# Altium PCB relay_matrix.PcbDoc (part 3 of 9)
Units mm, origin at the board's own origin, x right, y up, seen from the top; angles counter-clockwise.
Board outline 330 x 220 mm, 2 copper layers (Top Layer, Bottom Layer); 498 components, 345 nets, 2134 pads, 717 vias.
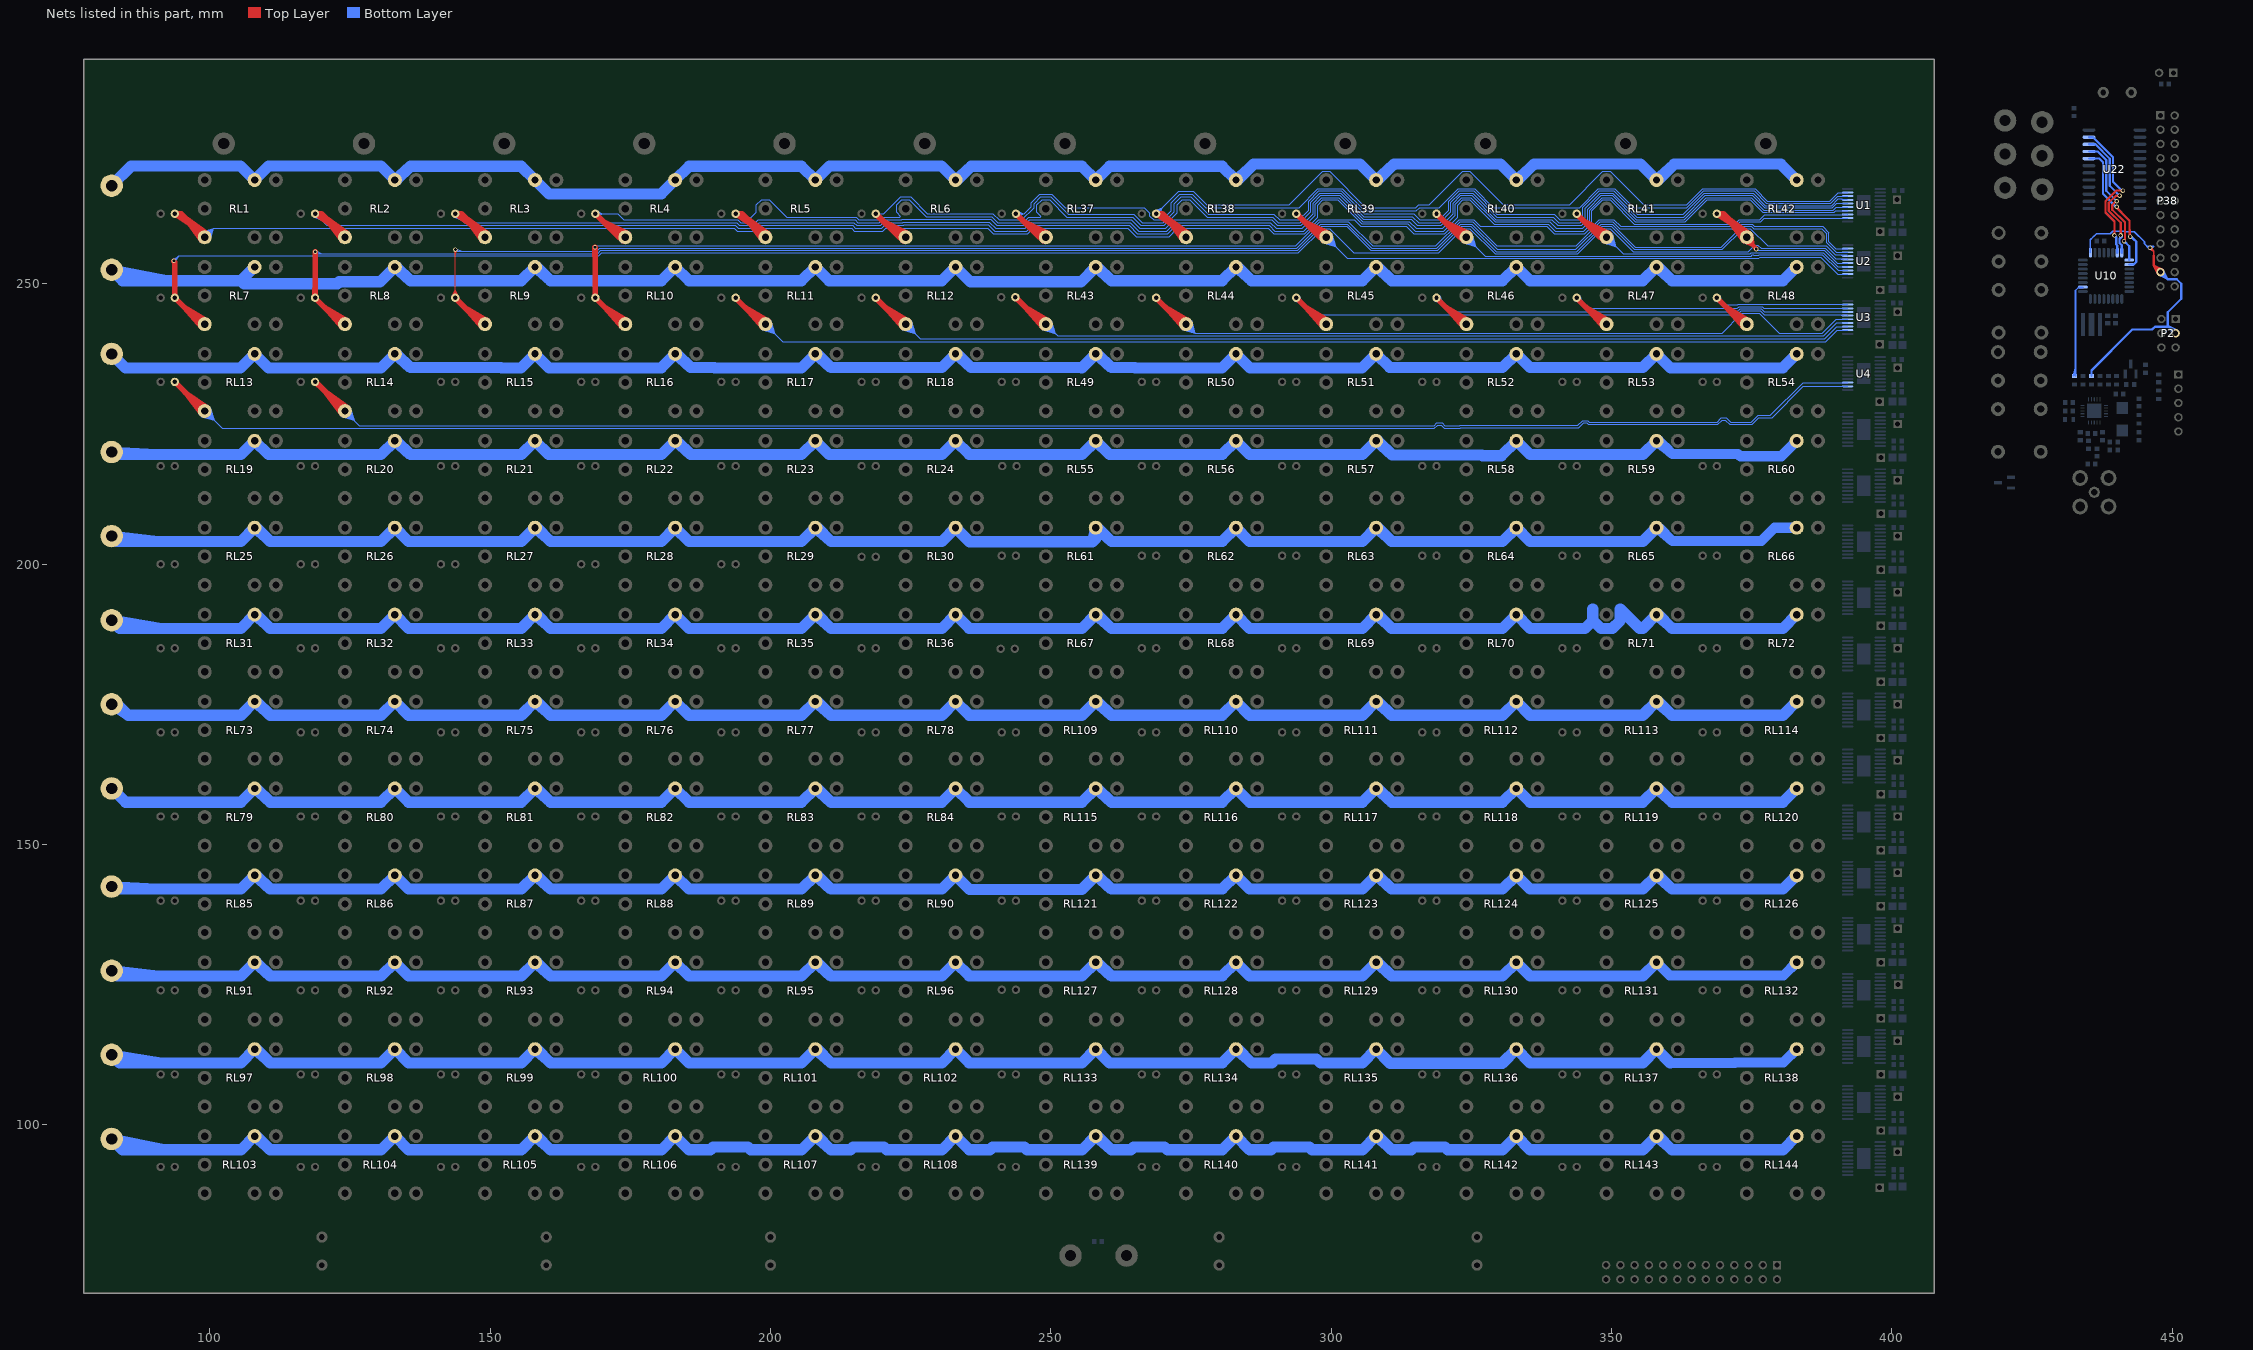
[diagram p3: the nets of this part, all layers, seen from the top]

## Via types
v1: diameter 0.8, hole 0.5, Top Layer to Bottom Layer, 477 vias
v2: diameter 0.8, hole 0.5, Top Layer to Bottom Layer, tented both sides, 122 vias
v3: diameter 0.6, hole 0.3, Top Layer to Bottom Layer, 112 vias
v4: diameter 7, hole 5, Top Layer to Bottom Layer, 6 vias

## Nets (pads, with @x,y where several pads share a name; then routed paths per layer and width w, separated by ;. In a path a pad name is that pad's centre, name@x,y a point inside that pad or via, vN(x,y) a via of type N, cw(c..) or ccw(c..) an arc to the next point about the centre after c; other vN are vias at no path point) (continued)
A0: U10.23 U22.23 | length 28.2
  Top Layer w0.4: v1(439.675,258.624) 439.675,261.127 438.075,262.727 438.075,264.024 438.075,264.704 439.996,266.624 v1(441.175,266.624)
  Bottom Layer w0.4: U22.23@435.125,276.139 435.86,276.139 439.425,272.574 439.425,268.194 440.996,266.624 v1(441.175,266.624) ; U10.23@440.175,255.549 440.175,256.844 ; U10.23@440.175,256.149 440.175,256.844 ; v1(439.675,258.624) 439.975,258.204 ; v1(439.675,258.624) 439.975,258.204 ; v1(439.675,258.624) 439.675,258.593 440.02,258.248 439.975,258.204 ; 439.975,258.204 439.975,257.044 440.175,256.844
A1: U10.24 U22.22 | length 28.3
  Top Layer w0.4: v1(440.576,265.723) 439.943,265.723 438.675,264.455 438.675,262.975 440.775,260.875 v1(440.775,258.624) 440.775,260.224
  Bottom Layer w0.4: U22.22@435.125,274.869 436.279,274.869 ; v1(440.576,265.723) 438.825,267.473 438.825,272.323 436.279,274.869 ; U10.24@440.975,255.549 440.975,256.893 ; U10.24@440.975,256.149 440.975,256.893 ; 436.279,274.869 435.975,274.869 436.279,274.869 ; 440.575,257.955 v1(440.775,258.624) 440.975,258.424 440.975,258.355 440.575,257.955 ; 440.575,257.955 440.575,257.293 440.975,256.893
A2: U10.25 U22.21 | length 26.2
  Top Layer w0.4: v1(440.075,264.724) 439.944,264.724 439.275,264.055 439.275,263.224 441.575,260.924 441.575,257.824 v1(441.375,257.624)
  Bottom Layer w0.4: U22.21@435.125,273.599 436.7,273.599 ; U22.21@435.975,273.599 436.7,273.599 ; v1(440.075,264.724) 438.225,266.574 438.225,272.074 436.7,273.599 ; U10.25@442.3,254.224 442.3,256.699 ; 442.3,256.699 v1(441.375,257.624) 442.3,256.699
A3: U10.26 U22.20 | length 30.9
  Top Layer w0.4: v1@440.025,263.574 442.376,261.223 442.376,258.523 v1(442.476,258.423) 442.376,260.035 ; v1(440.075,263.724) 441.218,262.381
  Bottom Layer w0.4: U22.20@435.125,272.329 436.97,272.329 ; U22.20@435.975,272.329 436.97,272.329 ; v1(440.075,263.724) 440.075,263.624 440.044,263.624 437.625,266.043 437.625,271.674 436.97,272.329 ; U10.26@442.3,253.424 443.127,253.424 443.575,253.873 443.575,257.524 ; 443.575,257.524 v1(442.476,258.423) 442.376,258.523 442.376,258.623 442.377,258.624 442.475,258.624 443.575,257.524
AUDIO_0: J7.1 RL1.7 RL2.7 RL3.7 RL4.7 RL5.7 RL6.7 RL37.7 RL38.7 RL39.7 RL40.7 RL41.7 RL42.7 | length 370.9
  Bottom Layer w2: J7.1@82.5,267.5 86,271 105.5,271 RL1.7@108,268.5 110.5,271 130.5,271 RL2.7@133,268.5 ; RL2.7@133,268.5 135.785,270.95 ; RL2.7@133,268.5 133.335,268.5 135.785,270.95 ; 135.785,270.95 155.55,270.95 RL3.7@158,268.5 160.5,266 180.5,266 ; 180.5,266 RL4.7@183,268.5 ; 180.5,266 RL4.7@183,268.5 ; RL4.7@183,268.5 185.45,270.95 205.55,270.95 RL5.7@208,268.5 210.5,271 230.5,271 RL6.7@233,268.5 ; RL6.7@233,268.5 235.785,270.95 ; RL6.7@233,268.5 233.335,268.5 235.785,270.95 ; 235.785,270.95 255.55,270.95 RL37.7@258,268.5 260.45,270.95 280.55,270.95 RL38.7@283,268.5 ; RL38.7@283,268.5 286.185,271.35 ; RL38.7@283,268.5 283.335,268.5 286.185,271.35 ; 286.185,271.35 305.15,271.35 ; 305.15,271.35 RL39.7@308,268.5 ; 305.15,271.35 RL39.7@308,268.5 ; RL39.7@308,268.5 311.185,271.35 ; RL39.7@308,268.5 308.335,268.5 311.185,271.35 ; 311.185,271.35 330.15,271.35 ; 330.15,271.35 RL40.7@333,268.5 ; 330.15,271.35 RL40.7@333,268.5 ; RL40.7@333,268.5 336.185,271.35 ; RL40.7@333,268.5 333.335,268.5 336.185,271.35 ; 336.185,271.35 355.15,271.35 ; 355.15,271.35 RL41.7@358,268.5 ; 355.15,271.35 RL41.7@358,268.5 ; RL41.7@358,268.5 361.185,271.35 ; RL41.7@358,268.5 358.335,268.5 361.185,271.35 ; 361.185,271.35 380.15,271.35 ; 380.15,271.35 RL42.7@383,268.5 380.15,271.35
AUDIO_1: J8.1 RL7.7 RL8.7 RL9.7 RL10.7 RL11.7 RL12.7 RL43.7 RL44.7 RL45.7 RL46.7 RL47.7 RL48.7 | length 358.9
  Bottom Layer w2: 92.231,250.55 J8.1@82.5,252.5 84.45,250.55 105.55,250.55 ; RL7.7@108,253 105.55,250.55 ; RL48.7@383,253 380.55,250.55 360.785,250.55 ; 105.55,250.55 106.1,250 122.735,250 123.085,250.35 130.35,250.35 RL8.7@133,253 ; RL8.7@133,253 135.785,250.55 ; RL8.7@133,253 133.335,253 135.785,250.55 ; 135.785,250.55 155.55,250.55 RL9.7@158,253 ; RL9.7@158,253 160.785,250.55 ; RL9.7@158,253 158.335,253 160.785,250.55 ; 160.785,250.55 180.55,250.55 RL10.7@183,253 185.45,250.55 205.55,250.55 RL11.7@208,253 210.45,250.55 230.55,250.55 RL12.7@233,253 235.65,250.35 255.35,250.35 RL43.7@258,253 ; RL43.7@258,253 260.785,250.55 ; RL43.7@258,253 258.335,253 260.785,250.55 ; 260.785,250.55 280.55,250.55 RL44.7@283,253 ; RL44.7@283,253 285.785,250.55 ; RL44.7@283,253 283.335,253 285.785,250.55 ; 285.785,250.55 305.55,250.55 RL45.7@308,253 ; RL45.7@308,253 310.785,250.55 ; RL45.7@308,253 308.335,253 310.785,250.55 ; 310.785,250.55 330.55,250.55 RL46.7@333,253 335.45,250.55 355.55,250.55 RL47.7@358,253 ; RL47.7@358,253 360.785,250.55 ; RL47.7@358,253 358.335,253 360.785,250.55
AUDIO_2: J9.1 RL13.7 RL14.7 RL15.7 RL16.7 RL17.7 RL18.7 RL49.7 RL50.7 RL51.7 RL52.7 RL53.7 RL54.7 | length 347.3
  Bottom Layer w2: J9.1@82.5,237.5 85,235 105.5,235 RL13.7@108,237.5 110.5,235 130.5,235 RL14.7@133,237.5 ; RL14.7@133,237.5 135.785,235.05 ; RL14.7@133,237.5 133.335,237.5 135.785,235.05 ; 135.785,235.05 151.95,235.05 152,235 155.5,235 RL15.7@158,237.5 160.5,235 180.5,235 RL16.7@183,237.5 ; RL16.7@183,237.5 185.785,235.05 ; RL16.7@183,237.5 183.335,237.5 185.785,235.05 ; 185.785,235.05 189.95,235.05 190,235 205.5,235 RL17.7@208,237.5 ; RL17.7@208,237.5 210.785,235.05 ; RL17.7@208,237.5 208.335,237.5 210.785,235.05 ; 210.785,235.05 230.55,235.05 RL18.7@233,237.5 ; RL18.7@233,237.5 235.785,235.05 ; RL18.7@233,237.5 233.335,237.5 235.785,235.05 ; 235.785,235.05 255.45,235.05 255.5,235 RL49.7@258,237.5 ; RL49.7@258,237.5 260.785,235.05 ; RL49.7@258,237.5 258.335,237.5 260.785,235.05 ; 260.785,235.05 264.95,235.05 265,235 280.5,235 RL50.7@283,237.5 285.5,235 305.5,235 RL51.7@308,237.5 310.45,235.05 330.55,235.05 RL52.7@333,237.5 335.45,235.05 355.55,235.05 RL53.7@358,237.5 360.5,235 380.5,235 ; 380.5,235 RL54.7@383,237.5 380.5,235
AUDIO_3: J10.1 RL19.7 RL20.7 RL21.7 RL22.7 RL23.7 RL24.7 RL55.7 RL56.7 RL57.7 RL58.7 RL59.7 RL60.7 | length 354.8
  Bottom Layer w1.8: RL60.7@383,222 380.25,219.25 372.961,219.25 372.561,219.65 360.827,219.65 ; RL59.7@358,222 359.418,220.918 359.559,220.918 ; RL59.7@358,222 359.559,220.918 ; RL59.7@358,222 359.559,220.918 ; RL59.7@358,222 360.827,219.65 ; 359.559,220.918 360.827,219.65
  Bottom Layer w2: 90.554,219.55 J10.1@82.5,220 82.95,219.55 105.55,219.55 RL19.7@108,222 110.45,219.55 130.55,219.55 RL20.7@133,222 ; RL20.7@133,222 135.785,219.55 ; RL20.7@133,222 133.335,222 135.785,219.55 ; 135.785,219.55 155.55,219.55 RL21.7@158,222 160.45,219.55 180.55,219.55 RL22.7@183,222 ; RL22.7@183,222 185.785,219.55 ; RL22.7@183,222 183.335,222 185.785,219.55 ; 185.785,219.55 205.55,219.55 RL23.7@208,222 210.45,219.55 230.55,219.55 RL24.7@233,222 235.45,219.55 255.55,219.55 RL55.7@258,222 260.45,219.55 280.55,219.55 RL56.7@283,222 285.45,219.55 305.55,219.55 RL57.7@308,222 ; RL57.7@308,222 310.885,219.45 ; RL57.7@308,222 308.335,222 310.885,219.45 ; 310.885,219.45 326.9,219.45 327,219.35 330.35,219.35 RL58.7@333,222 335.45,219.55 355.55,219.55 RL59.7@358,222 ; RL59.7@358,222 359.418,220.918 358.335,222 RL59.7@358,222
AUDIO_4: J11.1 RL25.7 RL26.7 RL27.7 RL28.7 RL29.7 RL30.7 RL61.7 RL62.7 RL63.7 RL64.7 RL65.7 RL66.7 | length 366.1
  Bottom Layer w1.8: 360.827,204.15 RL65.7@358,206.5 358.477,206.5 360.827,204.15 ; 360.827,204.15 376.697,204.15 379.047,206.5 ; 379.047,206.5 RL66.7@383,206.5 379.047,206.5
  Bottom Layer w2: 90.812,204.05 J11.1@82.5,205 83.45,204.05 105.55,204.05 RL25.7@108,206.5 110.785,204.05 ; RL25.7@108.335,206.5 110.785,204.05 ; RL27.7@158.335,206.5 160.785,204.05 ; RL29.7@208.335,206.5 210.785,204.05 ; RL61.7@258.335,206.5 260.785,204.05 ; RL63.7@308.335,206.5 310.785,204.05 ; RL65.7@358,206.5 355.55,204.05 335.45,204.05 RL64.7@333,206.5 330.55,204.05 310.785,204.05 ; 110.785,204.05 130.55,204.05 RL26.7@133,206.5 135.45,204.05 155.55,204.05 RL27.7@158,206.5 160.785,204.05 ; 160.785,204.05 180.55,204.05 RL28.7@183,206.5 185.45,204.05 205.55,204.05 RL29.7@208,206.5 210.785,204.05 ; 210.785,204.05 230.55,204.05 ; 230.55,204.05 RL30.7@233,206.5 ; 230.55,204.05 RL30.7@233,206.5 ; RL30.7@233,206.5 235.5,204 257.4,204 ; 257.4,204 RL61.7@258,206.5 ; 257.4,204 258,204.6 ; 258,204.6 RL61.7@258,206.5 ; 258,204.6 RL61.7@258,206.5 ; RL61.7@258,206.5 260.785,204.05 ; 260.785,204.05 280.55,204.05 RL62.7@283,206.5 285.45,204.05 305.55,204.05 RL63.7@308,206.5 310.785,204.05
AUDIO_5: J12.1 RL31.7 RL32.7 RL33.7 RL34.7 RL35.7 RL36.7 RL67.7 RL68.7 RL69.7 RL70.7 RL71.7 RL72.7 | length 363
  Bottom Layer w2: 91.384,188.55 J12.1@82.5,190 83.95,188.55 105.55,188.55 RL31.7@108,191 110.785,188.55 ; RL31.7@108.335,191 110.785,188.55 ; RL33.7@158.335,191 160.785,188.55 ; RL35.7@208.335,191 210.785,188.55 ; RL67.7@258.335,191 260.785,188.55 ; RL69.7@308.335,191 310.785,188.55 ; RL71.7@358.335,191 360.785,188.55 ; RL72.7@383,191 380.55,188.55 360.785,188.55 ; 110.785,188.55 130.55,188.55 RL32.7@133,191 135.45,188.55 155.55,188.55 RL33.7@158,191 160.785,188.55 ; 160.785,188.55 180.55,188.55 RL34.7@183,191 185.45,188.55 205.55,188.55 RL35.7@208,191 210.785,188.55 ; 210.785,188.55 230.55,188.55 RL36.7@233,191 235.45,188.55 255.55,188.55 RL67.7@258,191 260.785,188.55 ; 260.785,188.55 280.55,188.55 RL68.7@283,191 285.45,188.55 305.55,188.55 RL69.7@308,191 310.785,188.55 ; 310.785,188.55 330.55,188.55 RL70.7@333,191 335.45,188.55 345.215,188.55 346.65,189.985 ; 346.65,189.985 346.65,192.015 346.65,189.985 ; 346.65,189.985 348.085,188.55 350.115,188.55 351.55,189.985 351.55,192.015 355.015,188.55 355.55,188.55 RL71.7@358,191 360.785,188.55
AUDIO_6: J19.1 RL73.7 RL74.7 RL75.7 RL76.7 RL77.7 RL78.7 RL109.7 RL110.7 RL111.7 RL112.7 RL113.7 RL114.7 | length 358.5
  Bottom Layer w2: J19.1@82.5,175 85.45,173.05 ; J19.1@83,175.5 85.45,173.05 ; RL73.7@108.335,175.5 110.785,173.05 ; RL75.7@158.335,175.5 160.785,173.05 ; RL77.7@208.335,175.5 210.785,173.05 ; RL109.7@258.335,175.5 260.785,173.05 ; RL111.7@308.335,175.5 310.785,173.05 ; RL113.7@358.335,175.5 360.785,173.05 ; 85.45,173.05 105.55,173.05 RL73.7@108,175.5 110.785,173.05 ; 110.785,173.05 130.55,173.05 RL74.7@133,175.5 135.45,173.05 155.55,173.05 RL75.7@158,175.5 160.785,173.05 ; 160.785,173.05 180.55,173.05 RL76.7@183,175.5 185.45,173.05 205.55,173.05 RL77.7@208,175.5 210.785,173.05 ; 210.785,173.05 230.55,173.05 ; 230.55,173.05 RL78.7@233,175.5 ; 230.55,173.05 RL78.7@233,175.5 ; RL78.7@233,175.5 235.45,173.05 255.55,173.05 ; 255.55,173.05 RL109.7@258,175.5 ; 255.55,173.05 RL109.7@258,175.5 ; RL109.7@258,175.5 260.785,173.05 ; 260.785,173.05 280.55,173.05 RL110.7@283,175.5 285.45,173.05 305.55,173.05 RL111.7@308,175.5 310.785,173.05 ; 310.785,173.05 330.55,173.05 RL112.7@333,175.5 335.45,173.05 355.55,173.05 RL113.7@358,175.5 360.785,173.05 ; 360.785,173.05 380.55,173.05 ; 380.55,173.05 RL114.7@383,175.5 380.55,173.05
AUDIO_7: J20.1 RL79.7 RL80.7 RL81.7 RL82.7 RL83.7 RL84.7 RL115.7 RL116.7 RL117.7 RL118.7 RL119.7 RL120.7 | length 348.6
  Bottom Layer w2: J20.1@82.5,160 84.95,157.55 105.55,157.55 RL79.7@108,160 110.785,157.55 ; RL79.7@108.335,160 110.785,157.55 ; RL81.7@158.335,160 160.785,157.55 ; RL83.7@208.335,160 210.785,157.55 ; RL115.7@258.335,160 260.785,157.55 ; RL117.7@308.335,160 310.785,157.55 ; RL119.7@358.335,160 360.785,157.55 ; 110.785,157.55 130.55,157.55 RL80.7@133,160 135.45,157.55 155.55,157.55 RL81.7@158,160 160.785,157.55 ; 160.785,157.55 180.55,157.55 RL82.7@183,160 185.45,157.55 205.55,157.55 RL83.7@208,160 210.785,157.55 ; 210.785,157.55 230.55,157.55 RL84.7@233,160 235.45,157.55 255.55,157.55 RL115.7@258,160 260.785,157.55 ; 260.785,157.55 280.55,157.55 RL116.7@283,160 285.45,157.55 305.55,157.55 RL117.7@308,160 310.785,157.55 ; 310.785,157.55 330.55,157.55 RL118.7@333,160 335.45,157.55 355.55,157.55 RL119.7@358,160 360.785,157.55 ; 360.785,157.55 380.55,157.55 ; 380.55,157.55 RL120.7@383,160 380.55,157.55
AUDIO_8: J21.1 RL85.7 RL86.7 RL87.7 RL88.7 RL89.7 RL90.7 RL121.7 RL122.7 RL123.7 RL124.7 RL125.7 RL126.7 | length 355.8
  Bottom Layer w2: 90.554,142.05 J21.1@82.5,142.5 82.95,142.05 105.55,142.05 RL85.7@108,144.5 110.785,142.05 ; RL85.7@108.335,144.5 110.785,142.05 ; RL87.7@158.335,144.5 160.785,142.05 ; RL89.7@208.335,144.5 210.785,142.05 ; RL121.7@258.335,144.5 260.785,142.05 ; RL123.7@308.335,144.5 310.785,142.05 ; RL125.7@358.335,144.5 360.785,142.05 ; 110.785,142.05 130.55,142.05 RL86.7@133,144.5 135.45,142.05 155.55,142.05 RL87.7@158,144.5 160.785,142.05 ; 160.785,142.05 180.55,142.05 RL88.7@183,144.5 185.45,142.05 205.55,142.05 RL89.7@208,144.5 210.785,142.05 ; 210.785,142.05 230.55,142.05 RL90.7@233,144.5 235.5,142 255.5,142 RL121.7@258,144.5 260.785,142.05 ; 260.785,142.05 280.55,142.05 RL122.7@283,144.5 285.45,142.05 305.55,142.05 RL123.7@308,144.5 310.785,142.05 ; 310.785,142.05 330.55,142.05 RL124.7@333,144.5 335.45,142.05 355.55,142.05 RL125.7@358,144.5 360.785,142.05 ; 360.785,142.05 380.55,142.05 ; 380.55,142.05 RL126.7@383,144.5 380.55,142.05
AUDIO_9: J22.1 RL91.7 RL92.7 RL93.7 RL94.7 RL95.7 RL96.7 RL127.7 RL128.7 RL129.7 RL130.7 RL131.7 RL132.7 | length 352.7
  Bottom Layer w1.8: RL131.7@358,129 360.35,126.65 369.723,126.65 373.127,126.65 380.65,126.65 ; 380.65,126.65 RL132.7@383,129 380.65,126.65
  Bottom Layer w2: 90.812,126.55 J22.1@82.5,127.5 83.45,126.55 105.55,126.55 RL91.7@108,129 110.785,126.55 ; RL91.7@108.335,129 110.785,126.55 ; RL93.7@158.335,129 160.785,126.55 ; RL95.7@208.335,129 210.785,126.55 ; RL127.7@258.335,129 260.785,126.55 ; RL129.7@308.335,129 310.785,126.55 ; RL131.7@358,129 355.55,126.55 335.45,126.55 RL130.7@333,129 330.55,126.55 310.785,126.55 ; 110.785,126.55 130.55,126.55 RL92.7@133,129 135.45,126.55 155.55,126.55 RL93.7@158,129 160.785,126.55 ; 160.785,126.55 180.55,126.55 RL94.7@183,129 185.45,126.55 205.55,126.55 RL95.7@208,129 210.785,126.55 ; 210.785,126.55 230.55,126.55 RL96.7@233,129 235.45,126.55 255.55,126.55 RL127.7@258,129 260.785,126.55 ; 260.785,126.55 280.55,126.55 RL128.7@283,129 285.45,126.55 305.55,126.55 RL129.7@308,129 310.785,126.55
AUDIO_10: J23.1 RL97.7 RL98.7 RL99.7 RL100.7 RL101.7 RL102.7 RL133.7 RL134.7 RL135.7 RL136.7 RL137.7 RL138.7 | length 354.7
  Bottom Layer w1.8: 360.45,111.05 371.953,111.05 372.053,111.15 380.65,111.15 ; 380.65,111.15 RL138.7@383,113.5 380.65,111.15
  Bottom Layer w2: 91.384,111.05 J23.1@82.5,112.5 83.95,111.05 105.55,111.05 RL97.7@108,113.5 110.785,111.05 ; RL97.7@108.335,113.5 110.785,111.05 ; RL99.7@158.335,113.5 160.785,111.05 ; RL101.7@208.335,113.5 210.785,111.05 ; 360.45,111.05 RL137.7@358,113.5 355.55,111.05 335.45,111.05 RL136.7@333,113.5 330.5,111 310.5,111 RL135.7@308,113.5 305.55,111.05 298.085,111.05 297.385,111.75 290.091,111.75 289.391,111.05 285.785,111.05 ; 110.785,111.05 130.55,111.05 RL98.7@133,113.5 135.45,111.05 155.55,111.05 RL99.7@158,113.5 160.785,111.05 ; 160.785,111.05 180.55,111.05 RL100.7@183,113.5 185.45,111.05 205.55,111.05 RL101.7@208,113.5 210.785,111.05 ; 210.785,111.05 230.55,111.05 ; 230.55,111.05 RL102.7@233,113.5 ; 230.55,111.05 RL102.7@233,113.5 ; RL102.7@233,113.5 235.45,111.05 255.55,111.05 RL133.7@258,113.5 260.45,111.05 280.55,111.05 RL134.7@283,113.5 ; RL134.7@283,113.5 285.785,111.05 ; RL134.7@283,113.5 283.335,113.5 285.785,111.05
AUDIO_11: J24.1 RL103.7 RL104.7 RL105.7 RL106.7 RL107.7 RL108.7 RL139.7 RL140.7 RL141.7 RL142.7 RL143.7 RL144.7 | length 371.2
  Bottom Layer w2: 92.232,95.55 J24.1@82.5,97.5 84.45,95.55 105.55,95.55 RL103.7@108,98 110.785,95.55 ; RL103.7@108.335,98 110.785,95.55 ; RL105.7@158.335,98 160.785,95.55 ; RL107.7@208.335,98 210.785,95.55 ; RL139.7@258.335,98 260.785,95.55 ; RL141.7@308.335,98 310.785,95.55 ; RL143.7@358.335,98 360.785,95.55 ; 110.785,95.55 130.55,95.55 RL104.7@133,98 135.45,95.55 155.55,95.55 RL105.7@158,98 160.785,95.55 ; 160.785,95.55 180.55,95.55 RL106.7@183,98 185.45,95.55 189.26,95.55 189.76,96.05 195.986,96.05 196.486,95.55 205.55,95.55 RL107.7@208,98 210.785,95.55 ; 210.785,95.55 214.26,95.55 214.76,96.05 220.24,96.05 220.74,95.55 230.55,95.55 RL108.7@233,98 235.45,95.55 239.111,95.55 239.612,96.05 245.24,96.05 245.74,95.55 255.55,95.55 ; 255.55,95.55 RL139.7@258,98 ; 255.55,95.55 RL139.7@258,98 ; RL139.7@258,98 260.785,95.55 ; 260.785,95.55 264.26,95.55 264.76,96.05 270.286,96.05 270.786,95.55 280.55,95.55 ; 280.55,95.55 RL140.7@283,98 ; 280.55,95.55 RL140.7@283,98 ; RL140.7@283,98 285.45,95.55 289.26,95.55 289.76,96.05 296.086,96.05 296.586,95.55 305.55,95.55 RL141.7@308,98 310.785,95.55 ; 310.785,95.55 314.26,95.55 314.76,96.05 320.286,96.05 320.786,95.55 330.55,95.55 ; 330.55,95.55 RL142.7@333,98 ; 330.55,95.55 RL142.7@333,98 ; RL142.7@333,98 335.45,95.55 355.55,95.55 RL143.7@358,98 360.785,95.55 ; 360.785,95.55 380.55,95.55 ; 380.55,95.55 RL144.7@383,98 380.55,95.55
CE: R164.2 U10.10 | length 20.8
  Bottom Layer w0.3: R164.2@432.379,233.614 432.738,234.882 ; R164.2@432.775,233.564 432.738,234.882 ; U10.10@434.05,249.331 433.274,249.331 432.738,248.796 432.738,233.737 R164.2@432.575,233.574 432.738,234.882
CLK: P2.3 P38.23 R166.2 U10.17 | length 76.5
  Top Layer w0.3: v1@445.871,256.225 446.675,255.77 ; v1@446.221,256.575 446.675,255.77 ; 446.675,255.024 446.675,255.77 ; 446.675,255.77 v1(446.022,256.424) 446.675,255.77
  Top Layer w0.4: 446.675,255.024 446.675,253.284 ; P38.23@447.429,251.763 446.675,253.284 ; P38.23@447.875,252.084 446.675,253.284 ; P38.23@448.196,252.531 446.675,253.284
  Bottom Layer w0.3: U10.17@435.375,255.549 435.375,257.869 435.931,258.424 435.975,258.424 436.475,258.924 438.915,258.924 439.365,259.374 441.572,259.374 441.657,259.289 443.21,259.289 445.025,257.474 445.025,257.113 445.465,256.674 ; U10.17@435.375,256.149 435.375,257.324 ; v1@445.875,256.222 445.465,256.674 ; v1@446.075,256.668 445.465,256.674 ; 445.465,256.674 v1(446.022,256.424) ; 445.465,256.674 446.086,256.674 446.136,256.724 446.675,256.724 ; v1(446.022,256.424) 446.675,256.724 ; v1(446.022,256.424) 446.675,256.724 ; v1(446.022,256.424) 446.375,256.424 446.675,256.724 ; 446.675,256.724 446.164,256.218 446.675,256.724 ; 446.675,256.724 445.959,256.666 446.675,256.724
  Bottom Layer w0.4: R166.2@435.575,233.574 435.575,234.555 442.854,241.834 446.385,241.834 446.885,242.334 449.175,242.334 ; P38.23@447.551,251.64 449.135,250.824 ; P38.23@448.32,252.408 449.135,250.824 ; P2.3@450.126,240.866 449.425,242.334 ; P2.3@450.575,241.184 449.425,242.334 ; P2.3@450.893,241.633 449.425,242.334 ; 449.135,250.824 P38.23@447.875,252.084 449.135,250.824 ; 449.135,250.824 450.762,250.824 451.565,250.02 451.565,247.314 449.175,244.924 449.175,244.21 449.185,244.2 449.185,243.248 449.175,243.238 449.175,242.334 ; 449.175,242.334 449.425,242.334
CONTROL_0: D1.2 RL1.3 U1.2 | length 358
  Top Layer w1: 97.284,260.116 D1.2@93.77,262.5 ; RL1.3@98.53,257.813 95.729,261.671 ; RL1.3@99.587,258.87 95.729,261.671 ; D1.2@93.77,262.5 94.9,262.5 ; D1.2@93.77,262.5 94.9,262.5 ; 94.9,262.5 RL1.3@99.1,258.3 95.729,261.671